# Altium PCB pcb.PcbDoc
Units mm, origin at the board's own origin, x right, y up, seen from the top; angles counter-clockwise.
Board outline 62.76 x 101.74 mm, 2 copper layers (Top Layer, Bottom Layer); 42 components, 39 nets, 138 pads, 10 vias.
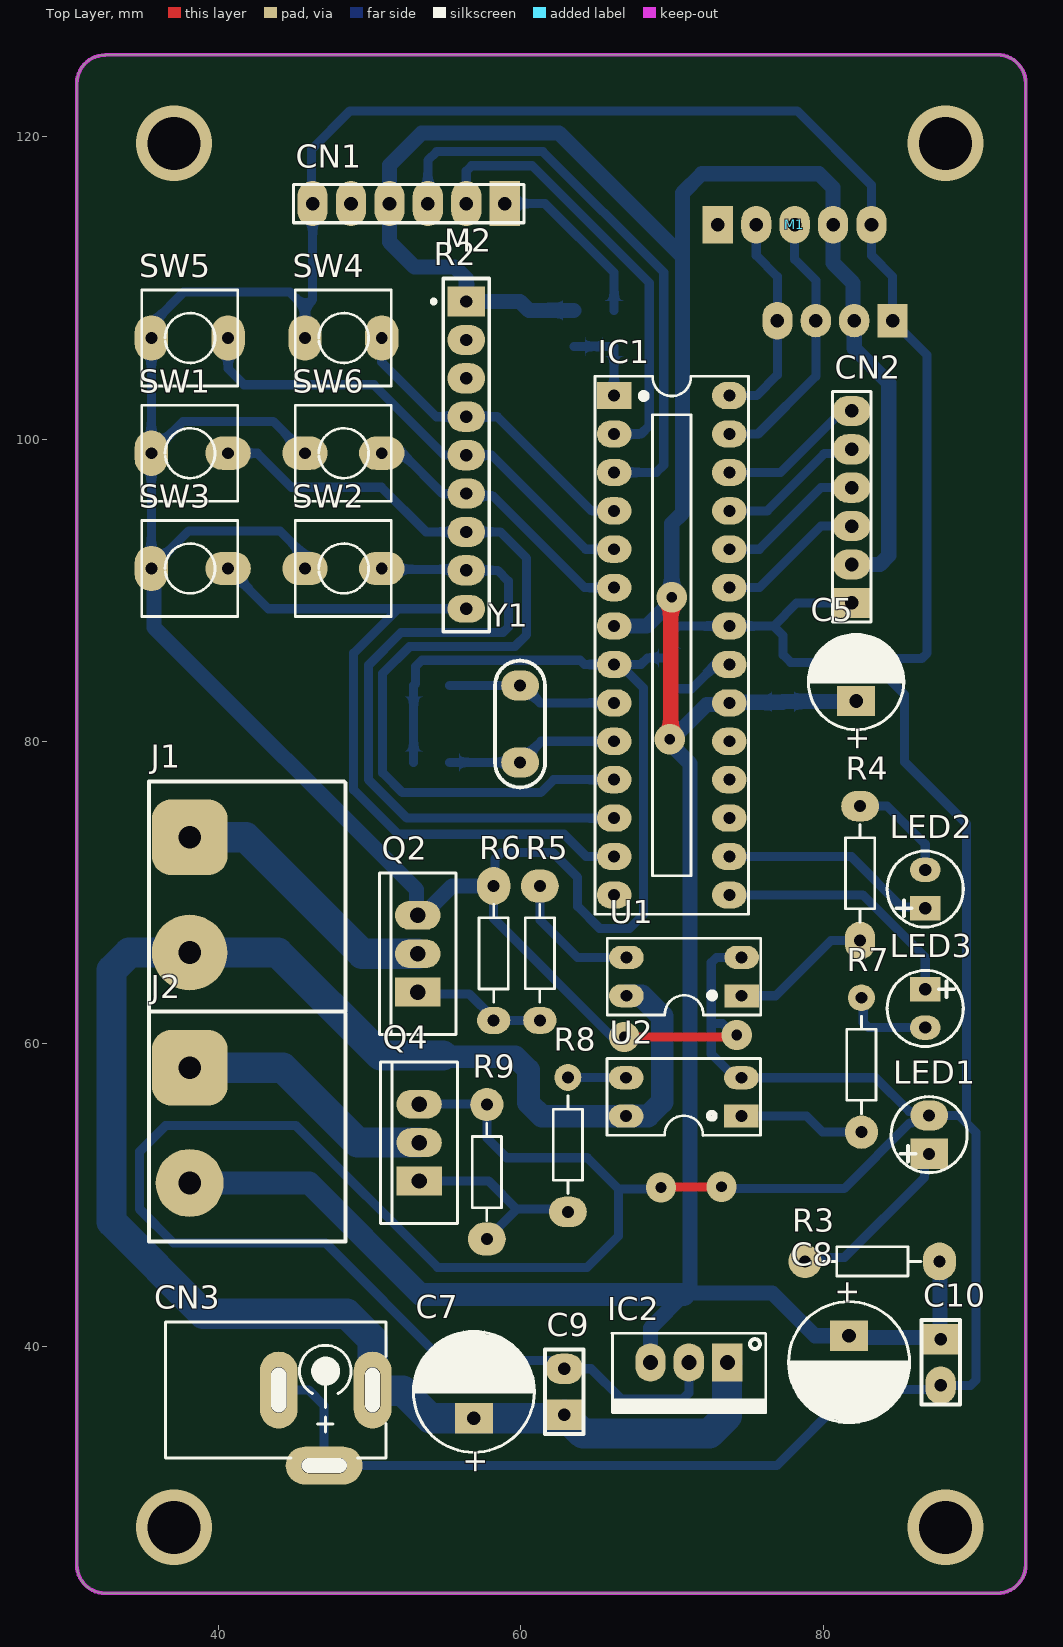
[diagram p0: Top Layer view]
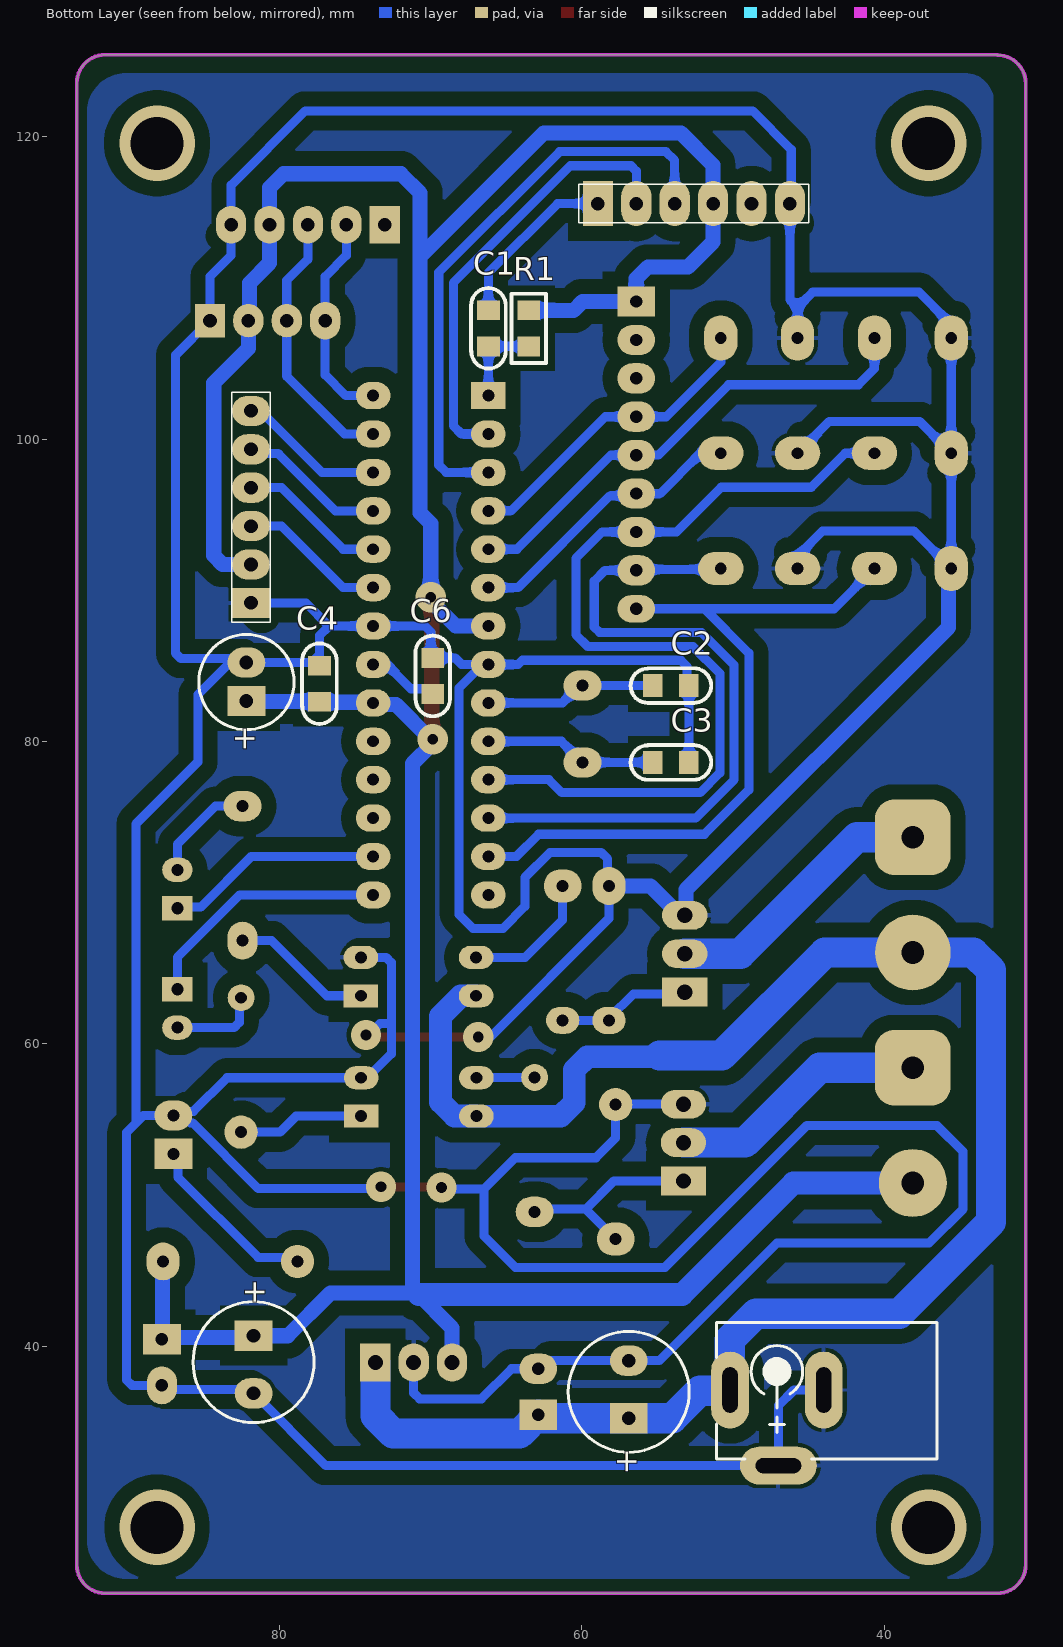
[diagram p1: Bottom Layer view, seen from below]
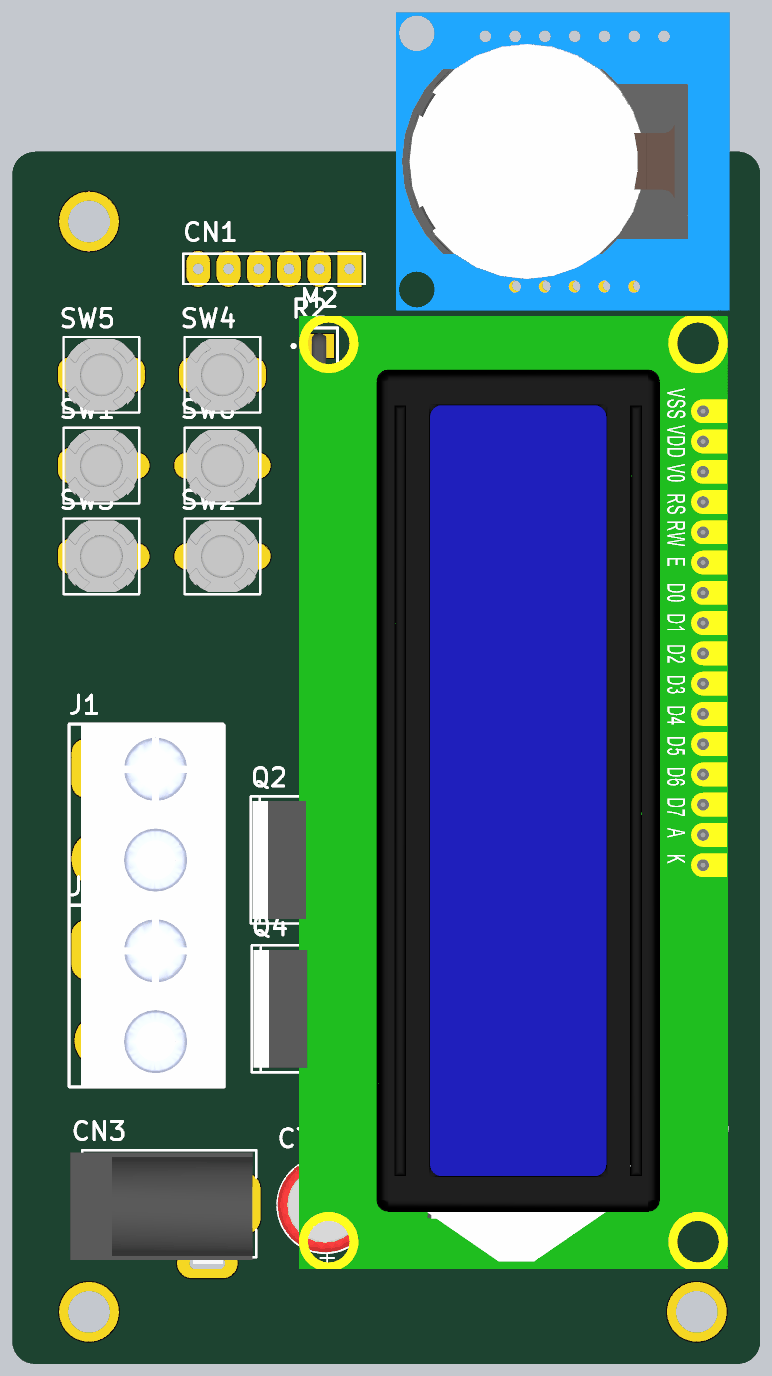
[diagram p2: 3D render of the assembled board from above, using the file's embedded part models]
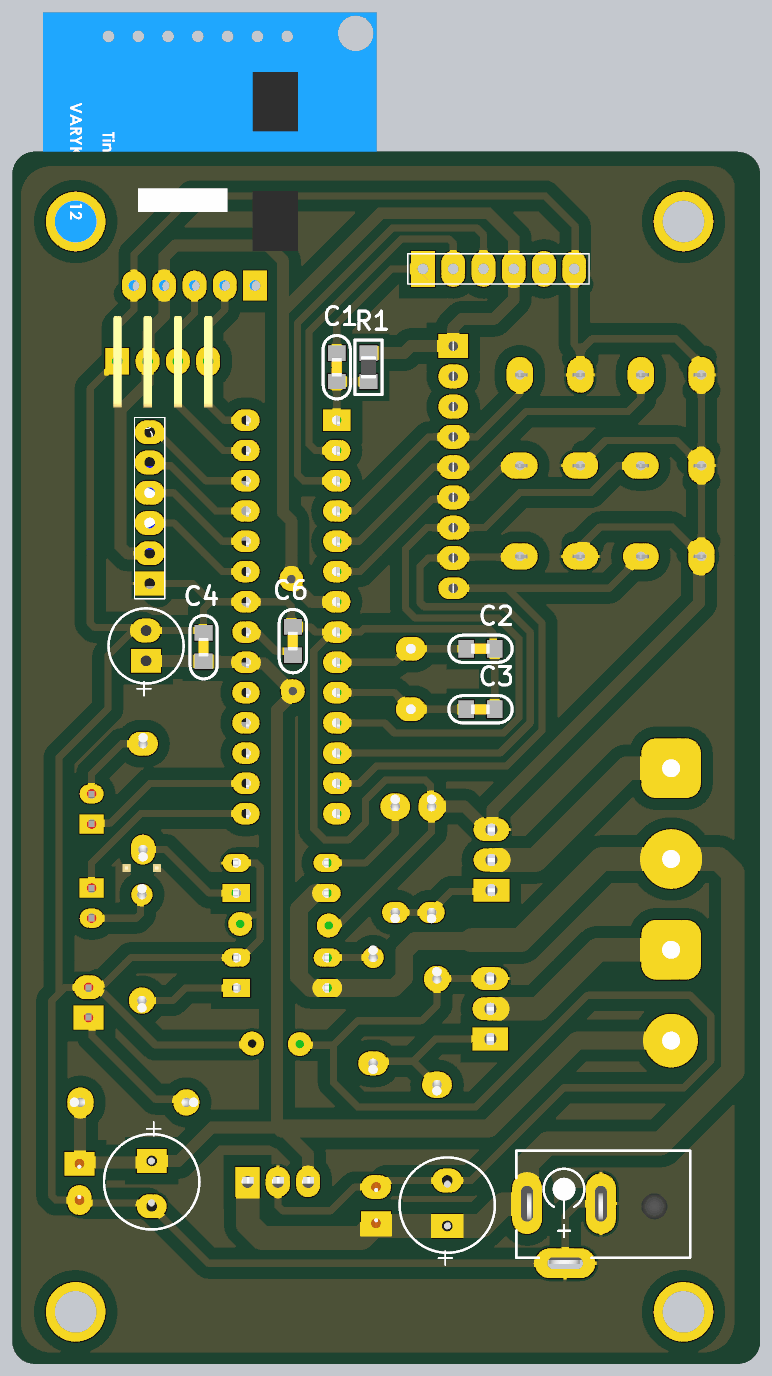
[diagram p3: 3D render of the assembled board from below, using the file's embedded part models]

## Layer stack, top to bottom
Top Solder: solder mask 0.0102, Solder Resist, Dk 3.5
Top Layer: signal copper 0.0356
Dielectric 1: dielectric 0.32, FR-4, Dk 4.8
Bottom Layer: signal copper 0.0356
Bottom Solder: solder mask 0.0102, Solder Resist, Dk 3.5

## Board outline
30.63,25.55 ccw(c32.51,25.55) 32.51,23.67 91.51,23.67 ccw(c91.51,25.55) 93.39,25.55 93.39,123.53 ccw(c91.51,123.53) 91.51,125.41 32.51,125.41 32.51,125.39 ccw(c32.51,123.51) 30.63,123.51

## Design rules (kind name [scope] priority, off if disabled: settings)
Clearance [All] p1: gap=1 ignorepadtopadclearanceinfootprint=FALSE
PolygonConnect [All] p1: connectstyle=Relief reliefconductorwidth=0.254 reliefentries=4 polygonreliefangle="90 Angle" airgapwidth=0.254
RoutingVias [All] p1: holewidth=0.711 width=1.27 viastyle="Through Hole" minholewidth=0.711 minwidth=1.27 maxholewidth=0.711 maxwidth=1.27
SolderMaskExpansion [All] p1: expansion=0.102 istentingtop=FALSE
Width [All] p1: maxlimit=10 minlimit=0.5 preferedwidth=0.7
30 further rules are at their usual default settings.

## Components (designator, comment, footprint, x,y, rotation, side; value= is the part's Value field where it differs from the comment)
C1 "Cap Non-pol" C-NP-0805 66.167,107.315 r270 bottom value=104
C2 "Cap Non-pol" C-NP-0805 54.102,83.693 r0 bottom value=22pF
C3 "Cap Non-pol" C-NP-0805 54.102,78.613 r0 bottom value=22pF
C4 "Cap Non-pol" C-NP-0805 77.343,83.82 r270 bottom value=104
C5 "Cap Pol" "RADIAL D" 82.169,82.677 r90 top value=100uF
C6 "Cap Non-pol" C-NP-0805 69.85,84.328 r270 bottom value=104
C7 "Cap Pol" "RADIAL E" 56.89,35.24 r90 top value=220uF
C8 "Cap Pol" "RADIAL E" 81.7,40.7 r270 top value=220uF
C9 "Cap Non-pol" "Cap Non-Pol 3mm"#1 62.87,36.99 r90 top value=104
C10 "Cap Non-pol" "Cap Non-Pol 3mm"#2 87.76,38.94 r270 top value=104
CN1 "IO" CON.HDR1X6#1 58.928,115.57 r180 top
CN2 "IO" CON.HDR1X6#2 81.87,89.16 r90 top
CN3 "PS" "JACK DC" 36.498,37.111 r0 top
IC1 "ATmega8-L" DIP28/W0.3 66.167,102.87 r270 top
IC2 "LM7805" QTO-220 73.65,38.93 r180 top
J1 "Domino 7.62mm" KF7.62#1 38.1,73.66 r270 top
J2 "Domino 7.62mm" KF7.62#2 38.1,58.42 r270 top
LED1 "LED3" LED3mm#1 87,54 r90 top
LED2 "LED3" LED3mm#2 86.74,70.24 r90 top
LED3 "LED3" LED3mm#2 86.74,62.34 r270 top
M1 "RTC1307 MODULE" RTCmODULE 73.025,114.173 r0 top
M2 "Module LCD 1602 I2C" LCD1602_I2C 84.582,107.823 r270 top
Q2 "IRF540" TO-220-3 53.18,63.42 r90 top
Q4 "IRF540" TO-220-3 53.27,50.93 r90 top
R1 "RESISTOR" R-0805 63.5,107.315 r90 bottom value=10k
R2 "RES_PACK_10K" "Res Array" 56.388,88.773 r90 top
R3 "220" R1/4W#1 78.79,45.61 r0 top value="R1/4W - 1K"
R4 "1k" R1/4W#2 82.43,66.83 r90 top value="R1/4W - 1K"
R5 "10R" R1/4W#3 61.255,70.445 r270 top value="R1/4W - 1K"
R6 "10k" R1/4W#4 58.2,70.44 r270 top value="R1/4W - 1K"
R7 "1k" R1/4W#5 82.52,54.16 r90 top value="R1/4W - 1K"
R8 "10R" R1/4W#6 63.11,57.78 r270 top value="R1/4W - 1K"
R9 "10k" R1/4W#1 57.75,55.98 r270 top value="R1/4W - 1K"
SW1 "SW" SW2#1 40.64,99.06 r180 top value="SW chip 2 pin"
SW2 "SW" SW2#2 50.8,91.44 r180 top value="SW chip 2 pin"
SW3 "SW" SW2#1 40.64,91.44 r180 top value="SW chip 2 pin"
SW4 "SW" SW2#3 50.8,106.68 r180 top value="SW chip 2 pin"
SW5 "SW" SW2#3 40.64,106.68 r180 top value="SW chip 2 pin"
SW6 "SW" SW2#2 50.8,99.06 r180 top value="SW chip 2 pin"
U1 "PC817" DIP4/W0.3 74.6,63.18 r90 top
U2 "PC817" DIP4/W0.3 74.58,55.22 r90 top
Y1 "16Mhz" XTAL 59.944,81.153 r180 top

## Footprints (in the part's own frame and the unit in brackets; to place one, negate y for a bottom-side part, rotate by r counter-clockwise, add the part's x,y. Pads: shape width x height; smd on the part's side, far side on the other; paste and mask are expansions set on the pad)
C-NP-0805 [mm] "Chip Capacitor; Non-polarized; Body 2.0 x 1.3 mm (LxW typ) [2012]"
  rect 1.3x1.5 smd: 1(-1.194,0) 2(1.194,0)
  silkscreen extent -2.67,-1.14 2.66,1.14, body extent -0.8,-0.43 0.8,0.43, height 0.79
"Cap Non-Pol 3mm"#1 [mm] "Capacitor, Radial; Body 5.6 x 2.5 mm (L x W typ); Pin Spacing 3 mm (typ); Solder Pad 35mil"
  rect 2x2.5 hole 0.813: 1(-1.524,0)
  oval 2x2.5 hole 0.813: 2(1.524,0)
  silkscreen extent -2.79,-1.27 2.79,1.27, body extent -2.92,-0.83 2.92,0.86, height 6.22
"Cap Non-Pol 3mm"#2 [mm] "Capacitor, Radial; Body 5.6 x 2.5 mm (L x W typ); Pin Spacing 3 mm (typ); Solder Pad 35mil"
  rect 2x2.5 hole 0.813: 1(-1.524,0)
  oval 2.5x2 hole 0.813: 2(1.524,0)
  silkscreen extent -2.79,-1.27 2.79,1.27, body extent -2.92,-0.83 2.92,0.86, height 6.22
CON.HDR1X6#1 [mm]
  rect 2x3 hole 0.9: 1(0,0)
  oval 2x3 hole 0.9: 2(2.54,0) 3(5.08,0) 4(7.62,0) 5(10.16,0) 6(12.7,0)
  silkscreen extent -1.27,-1.27 13.97,1.27, body extent -1.27,-1.27 13.97,1.27, height 8.89
CON.HDR1X6#2 [mm]
  rect 2x2.5 hole 0.9: 1(0,0)
  oval 2x2.5 hole 0.9: 2(2.54,0) 3(5.08,0) 4(7.62,0) 5(10.16,0) 6(12.7,0)
  silkscreen extent -1.27,-1.27 13.97,1.27, body extent -1.27,-1.27 13.97,1.27, height 8.89
DIP4/W0.3 [mil] "4 PIN, W 300mil, Pin to pin 100mil"
  rect 60x90 hole 31: 1(0,0)
  oval 60x90 hole 31: 2(100,0) 3(100,300) 4(0,300)
  silkscreen extent -50,-50 150,350, body extent -59,-10 159,305, height 170
DIP28/W0.3 [mil] "28 PIN, W 300mil, Pin to pin 100mil"
  rect 70.87x90 hole 31: 1(0,0)
  oval 70.87x90 hole 31: 2(100,0) 3(200,0) 4(300,0) 5(400,0) 6(500,0) 7(600,0) 8(700,0) 9(800,0) 10(900,0) 11(1000,0) 12(1100,0) 13(1200,0) 14(1300,0) 15(1300,300) 16(1200,300) 17(1100,300) 18(1000,300) 19(900,300) 20(800,300) 21(700,300) 22(600,300) 23(500,300) 24(400,300) 25(300,300) 26(200,300) 27(100,300) 28(0,300)
  silkscreen extent -50,-50 1350,350, body extent -50,-10 1367,300, height 200
"JACK DC" [mm]
  oval 2.5x5.08 hole 1 slot 3 at 90 deg: 1(13.692,-0.001) 2(7.492,-0.001)
  oval 5.08x2.5 hole 1 slot 3 at 0 deg: 3(10.492,-5.001)
  silkscreen extent -0.01,-5 14.59,4.5, body extent -1,-5.08 14.3,4.28, height 11
KF7.62#1 [mm] "Terminal 7762mm"
  rrect50% 5x5 hole 1.5: 1(0,0)
  round 5 hole 1.5: 2(7.62,0)
  silkscreen extent -3.7,-2.7 11.5,10.3, body extent -3.72,-1.7 11.52,10.3, height 12.4
KF7.62#2 [mm] "Terminal 7762mm"
  rrect50% 5x5 hole 1.5: 1(0,0)
  round 4.5 hole 1.5: 2(7.62,0)
  silkscreen extent -3.7,-2.7 11.5,10.3, body extent -3.72,-1.7 11.52,10.3, height 12.4
LCD1602_I2C [mm] "MODULE LCD I2C"
  rect 2.2x2 hole 0.9: 1(0,0)
  oval 2.2x2 hole 0.9: 2(0,-2.54) 3(0,-5.08)
  oval 2.5x2 hole 0.9: 4(0,-7.62)
  body extent -3.8,-29.9 76.2,6.1, height 21.65
LED3mm#1 [mm]
  rect 2x2.5 hole 0.8: 1(-1.27,0)
  oval 2x2.5 hole 0.8: 2(1.27,0)
  silkscreen extent -2.52,-2.51 2.51,2.52, body extent -1.99,-1.5 1.99,1.99, height 5.38
LED3mm#2 [mm]
  rect 1.6x2 hole 0.8: 1(-1.27,0)
  oval 1.6x2 hole 0.8: 2(1.27,0)
  silkscreen extent -2.52,-2.51 2.51,2.52, body extent -1.99,-1.5 1.99,1.99, height 5.38
QTO-220 [mil] "TO-220 - 1-2-3"
  rect 80x100 hole 39: 1(0,0)
  oval 80x100 hole 39: 2(100,0)
  oval 78.74x100 hole 39: 3(200,0)
  silkscreen extent -100,-76 300,130, body extent -119,-64 322,121, height 755
R1/4W#1 [mm] "R 1/4W, 2 Pin, 350mil"
  round 2.2 hole 0.787: 1(0,0)
  oval 2.2x2.5 hole 0.787: 2(8.89,0)
  silkscreen extent 1.22,-0.97 7.67,0.97, body extent -1.01,-1.19 9.79,1.21, height 2.83
R1/4W#2 [mm] "R 1/4W, 2 Pin, 350mil"
  oval 2.5x2 hole 0.787: 1(0,0)
  oval 2x2.5 hole 0.787: 2(8.89,0)
  silkscreen extent 1.22,-0.97 7.67,0.97, body extent -1.01,-1.19 9.79,1.21, height 2.83
R1/4W#3 [mm] "R 1/4W, 2 Pin, 350mil"
  oval 2.2x2.5 hole 0.787: 1(0,0)
  oval 1.778x2.2 hole 0.787: 2(8.89,0)
  silkscreen extent 1.22,-0.97 7.67,0.97, body extent -1.01,-1.19 9.79,1.21, height 2.83
R1/4W#4 [mm] "R 1/4W, 2 Pin, 350mil"
  oval 2.5x2.2 hole 0.787: 1(0,0)
  oval 1.778x2.2 hole 0.787: 2(8.89,0)
  silkscreen extent 1.22,-0.97 7.67,0.97, body extent -1.01,-1.19 9.79,1.21, height 2.83
R1/4W#5 [mm] "R 1/4W, 2 Pin, 350mil"
  round 2.2 hole 0.787: 1(0,0)
  round 1.778 hole 0.787: 2(8.89,0)
  silkscreen extent 1.22,-0.97 7.67,0.97, body extent -1.01,-1.19 9.79,1.21, height 2.83
R1/4W#6 [mm] "R 1/4W, 2 Pin, 350mil"
  round 1.778 hole 0.787: 1(0,0)
  oval 2x2.5 hole 0.787: 2(8.89,0)
  silkscreen extent 1.22,-0.97 7.67,0.97, body extent -1.01,-1.19 9.79,1.21, height 2.83
R-0805 [mm] "Chip Resistor; Body 2.0 x 1.3 mm (LxW typ) [2012]"
  rect 1.3x1.5 smd: 1(-1.194,0) 2(1.194,0)
  silkscreen extent -2.29,-1.14 2.29,1.14, body extent -0.95,-0.65 0.95,0.65, height 0.63
"RADIAL D" [mm] "Capacitor, Electrolytic, Radial; Body 6.3 x 9.8 mm (Dia.xH typ); Pin Spacing 2.5 mm (typ)"
  rect 2x2.5 hole 0.9: 1(0,0)
  oval 2x2.5 hole 0.9: 2(2.54,0)
  silkscreen extent -1.9,-3.15 4.4,3.15
"RADIAL E" [mm] "Capacitor, Electrolytic, Radial; Body 8 x 10.5 mm (Dia.xH typ); Pin Spacing 3.5 mm (typ)"
  rect 2x2.5 hole 0.9: 1(0,0)
  oval 2x2.5 hole 0.9: 2(3.81,0)
  silkscreen extent -2.25,-4 5.75,4, body extent -2.24,-3.99 5.76,4.01, height 11.74
"Res Array" [mm] "Resistor Array; 9 Leads; Solder Pad 35mil"
  oval 1.8x2.5 hole 0.813: 1(0,0)
  oval 2x2.5 hole 0.813: 2(2.54,0) 3(5.08,0) 4(7.62,0) 5(10.16,0) 6(12.7,0) 7(15.24,0) 8(17.78,0)
  rect 2x2.5 hole 0.813: 9(20.32,0)
  silkscreen extent -1.52,-1.52 21.84,2.29, body extent -1.08,-0.61 21.42,0.64, height 5.06
RTCmODULE [mm] "DS1307"
  rect 2x2.5 hole 0.9: 1(0,0)
  oval 2x2.5 hole 0.9: 2(2.54,0) 3(5.08,0) 4(7.62,0) 5(10.16,0)
  body extent -10.2,-2.08 17.8,22.92, height 6.8
SW2#1 [mm] "SW button 2pin, 250x 250 mil"
  oval 3x2.2 hole 0.787: 1(0,0)
  oval 2.2x3 hole 0.787: 2(5.08,0)
  silkscreen extent -0.64,-3.17 5.72,3.18, body extent -0.46,-3 5.54,3, height 5
SW2#2 [mm] "SW button 2pin, 250x 250 mil"
  oval 3x2.2 hole 0.787: 1(0,0) 2(5.08,0)
  silkscreen extent -0.64,-3.17 5.72,3.18, body extent -0.46,-3 5.54,3, height 5
SW2#3 [mm] "SW button 2pin, 250x 250 mil"
  oval 2.2x3 hole 0.787: 1(0,0) 2(5.08,0)
  silkscreen extent -0.64,-3.17 5.72,3.18, body extent -0.46,-3 5.54,3, height 5
TO-220-3 [mm] "TO-220; 3 Leads; Solder Pad 35mil"
  rect 1.905x3 hole 1.016: 1(0,0)
  oval 1.905x3 hole 1.016: 2(2.54,0) 3(5.08,0)
  silkscreen extent -2.79,-2.54 7.87,2.54, body extent -2.41,-2.11 7.49,2.39, height 19.31
XTAL [mm] "Crystal, Thru-Hole; 2 Leads; Body 3.1 x 8.2 mm (Dia.xH); Solder pad 35mil"
  oval 2.5x2 hole 0.813: 1(0,2.54) 2(0,-2.54)
  silkscreen extent -1.66,-4.19 1.66,4.2, body extent -2.33,-5.67 2.32,5.68, height 3.53

## Part data
C1 C2 C3 C4 C6 C9 C10: "Non-polarized Capacitor", LatestRevisionDate=17-Jul-2002, LatestRevisionNote="Re-released for DXP Platform.", PackageReference=RAD-0.3, Published=8-Jun-2000, Publisher="Altium Limited"
C5 C7 C8: "Polarized Capacitor", LatestRevisionDate=17-Jul-2002, LatestRevisionNote="Re-released for DXP Platform.", PackageReference=POLAR0.8, Published=8-Jun-2000, Publisher="Altium Limited"
CN1 CN2: library part CON.HDR1x6, "Header 1x6", ComponentLink1Description="Digikey Part link", ComponentLink2Description="Open DataSheet", ComponentLink2URL=H:\LIBRARY\LIBRARY.Datasheet\, Publisher="Hoang Nguyen"
CN3: library part CON.DCjack, "DC Power Jack, 2.5mm, KLD Series, PCB Mount", ComponentLink1Description="Digikey Part link", ComponentLink2Description="Open DataSheet", ComponentLink2URL=H:\LIBRARY\LIBRARY.Datasheet\, Price=1.500VND, Vendor="Nhat Tao"
IC1: "8-Bit AVR Microcontroller with 8K Bytes of In-System Programmable Flash Memory"
IC2: library part LM78xx_1, "On ap +, from + 5 to + 24VDC"
J1 J2: library part Con2-7.62mm
LED1 LED2 LED3: library part "LED 3mm", "LED 3mm"
M1: library part RTC1307_MODULE
M2: library part LCD1602_I2C
Q2 Q4: "HEXFET N-Channel Power MOSFET", ComponentLink1Description="Manufacturer Link", ComponentLink1URL=http://www.irf.com/, DatasheetVersion=PD-9.373H, LatestRevisionDate=17-Jul-2002, LatestRevisionNote="Re-released for DXP Platform.", Note="Pin 2 is electrically connected to pin 4.", PackageDescription="TO, Thru-Hole, Vertical, Heatsink Mounted; 3 In-Line Leads; Pitch 2.54 mm", PackageReference=TO-220AB, PackageVersion=Feb-1997, Published=8-Jun-2000, Publisher="Altium Limited"
R1: "Resistor", LatestRevisionDate=17-Jul-2002, LatestRevisionNote="Re-released for DXP Platform.", PackageReference=AXIAL-0.3, Published=8-Jun-2000, Publisher="Altium Limited"
R2: library part RES_PACK_8R, "Isolated Resistor Network", Code_JEDEC=MO-150-AC, LatestRevisionDate=17-Jul-2002, LatestRevisionNote="Re-released for DXP Platform.", PackageReference=SSOP16, Published=24-Mar-1999, Publisher="Altium Limited"
R3 R4 R5 R6 R7 R8 R9: library part R1/4W, "Resistor 1/4W"
SW1 SW2 SW3 SW4 SW5 SW6: library part SW2, "Switch button 2 pin"
U1 U2: library part PC817_1, "Single Opto"
Y1: library part XTAL, "Crystal Oscillator", LatestRevisionDate=17-Jul-2002, LatestRevisionNote="Re-released for DXP Platform.", PackageReference=R38, Published=8-Jun-2000, Publisher="Altium Limited"

## Via types
v1: diameter 2, hole 0.711, Top Layer to Bottom Layer, 6 vias
v2: diameter 5, hole 3.5, Top Layer to Bottom Layer, 4 vias

## Nets (pads, with @x,y where several pads share a name; then routed paths per layer and width w, separated by ;. In a path a pad name is that pad's centre, name@x,y a point inside that pad or via, vN(x,y) a via of type N, cw(c..) or ccw(c..) an arc to the next point about the centre after c; other vN are vias at no path point)
+5V: C4.2 C5.1 C8.1 C10.1 CN1.4 CN2.2 IC1.7 IC1.20 IC2.3 J2.2 M1.4 M2.2 R1.2 R2.9 R3.2 | length 239.6
  Top Layer w1: v1(69.85,80.137) 69.913,80.2 69.913,89.471 v1(69.977,89.535)
  Bottom Layer w1: R1.2 60.528,108.509 59.944,109.093 R2.9 56.388,110.617 55.626,111.379 52.959,111.379 51.308,113.03 51.308,118.108 53.44,120.24 62.51,120.24 70.68,112.07 ; IC1.7 68.326,87.63 69.977,89.281 v1(69.977,89.535) 69.977,94.407 70.68,95.11 70.68,112.07 ; IC2.3 68.57,41.22 70.87,43.52 ; CN2.2 83.744,91.7 84.33,92.286 84.33,103.71 82.042,105.998 M2.2 81.955,107.91 81.955,110.323 80.645,111.633 M1.4 80.645,116.62 79.725,117.54 71.96,117.54 70.68,116.26 70.68,112.07 ; C5.1 82.144,82.652 77.368,82.652 C4.2 77.305,82.588 73.825,82.588 IC1.20 73.687,82.45 72.29,82.45 69.977,80.137 v1(69.85,80.137) 69.85,79.871 71.19,78.531 71.19,43.84 70.87,43.52 ; R3.2 87.72,45.57 C10.1@87.72,40.504 ; C10.1 C10.1@87.72,40.504 ; 70.87,43.52 76.62,43.52 79.44,40.7 C8.1 81.818,40.582 87.642,40.582 C10.1@87.72,40.504
  Bottom Layer w1.5: J2.2 46,50.8 53.37,43.43 70.78,43.43
A0: CN2.3 IC1.23 | length 9.8
  Bottom Layer w0.6: IC1.23 75.77,90.17 79.84,94.24 CN2.3
A1: CN2.4 IC1.24 | length 9.8
  Bottom Layer w0.6: IC1.24 75.77,92.71 79.84,96.78 CN2.4
A2: CN2.5 IC1.25 | length 9.8
  Bottom Layer w0.6: IC1.25 76.29,95.25 80.01,98.97 80.01,98.99 80.072,99.052 81.602,99.052 CN2.5
A3: CN2.6 IC1.26 | length 9.8
  Bottom Layer w0.6: IC1.26 77.18,97.79 81.25,101.86 CN2.6
D2: IC1.4 R2.6 SW4.1 | length 21
  Bottom Layer w0.6: SW4.1 50.8,105.09 54.417,101.473 R2.6 58.437,101.473 64.648,95.262 66.155,95.262 IC1.4
D3: IC1.5 R2.5 SW5.1 | length 32.5
  Bottom Layer w0.6: SW5.1 40.64,104.65 41.7,103.59 50.28,103.59 54.937,98.933 58.067,98.933 64.29,92.71 IC1.5
D4: IC1.6 R2.4 SW6.1 | length 19
  Bottom Layer w0.6: SW6.1 50.835,99.025 52.185,99.025 54.817,96.393 R2.4 56.54,96.241 58.139,96.241 64.21,90.17 IC1.6
D5: IC1.11 R2.3 SW1.1 | length 61
  Bottom Layer w0.6: SW1.1 42.57,99.06 44.82,96.81 50.77,96.81 53.727,93.853 R2.3 58.637,93.853 60.38,92.11 60.38,87.06 59.6,86.28 52.64,86.28 50.86,84.5 50.86,77.92 52.17,76.61 61.31,76.61 62.17,77.47 IC1.11
D6: IC1.12 R2.2 SW2.1 | length 46.9
  Bottom Layer w0.6: SW2.1 50.863,91.376 56.325,91.376 R2.2 58.457,91.313 59.17,90.6 59.17,87.561 58.819,87.21 52.082,87.21 49.924,85.052 49.924,77.476 52.47,74.93 IC1.12
D7: IC1.13 R2.1 SW3.1 | length 49.1
  Bottom Layer w0.6: SW3.1 43.307,88.773 51.877,88.773 ; R2.1 51.877,88.773 ; IC1.13 66.036,72.39 64.32,72.39 62.85,73.86 51.88,73.86 48.94,76.8 48.94,85.836 51.877,88.773
D8: IC1.14
D9: IC1.15 LED3.1 | length 16.8
  Bottom Layer w0.6: IC1.15 82.61,69.85 86.74,65.72 LED3.1
D10: IC1.16 LED2.1 | length 14.4
  Bottom Layer w0.6: IC1.16 81.85,72.39 85.191,69.049 86.661,69.049 LED2.1
D11: IC1.17
D12: IC1.18
D13: IC1.19
DTR: C1.1 CN1.1 | length 11.6
  Bottom Layer w0.6: CN1.1 61.595,115.57 66.167,110.998 C1.1
GND: C2.1 C3.1 C4.1 C5.2 C6.1 C7.2 C8.2 C9.2 C10.2 CN1.6 CN2.1 CN3.2 CN3.3 IC1.8 IC1.22 IC2.2 LED1.2 M1.5 M2.1 Q2.3 Q4.3 R6.1 R9.1 SW1.2 SW2.2 SW3.2 SW4.2 SW5.2 SW6.2 U1.2 U2.2 | length 538.8
  Top Layer w0.6: v1(66.84,60.46) 74.14,60.46 v1(74.27,60.59) ; v1(69.27,50.51) 69.29,50.53 73.25,50.53 v1(73.27,50.55)
  Bottom Layer w0.6: CN3.2 45.96,37.11 46.99,36.08 CN3.3 76.92,32.11 C8.2 81.963,37.153 87.497,37.153 C10.2 89.739,37.416 90.09,37.767 90.09,54.15 89.48,54.76 ; SW2.2 45.47,91.69 45.47,92.51 44.06,93.92 38.04,93.92 SW3.2 SW1.2 ; SW6.2 43.62,101.16 37.66,101.16 SW1.2 ; SW4.2 45.72,108.71 ; C3.1 C2.1 53.028,83.813 53.028,84.948 53.45,85.37 63.92,85.37 64.2,85.09 IC1.8 IC1.8@66.548,85.09 ; Q4.3 56.931,56.01 57.381,55.56 R9.1@57.7,55.56 ; R9.1 57.75,53.78 59.06,52.47 64.39,52.47 66.45,50.41 ; v1(66.84,60.46) 66.82,60.44 66.05,60.44 58.2,68.29 R6.1 58.289,70.529 58.289,72.229 58.72,72.66 62.09,72.66 63.75,71 63.75,69.09 65.2,67.64 67.19,67.64 68.1,68.55 68.1,83.538 IC1.8@66.548,85.09 ; v1(69.27,50.51) 69.17,50.41 66.45,50.41 ; IC2.2 71.11,36.91 70.72,36.52 66.63,36.52 64.636,38.514 C9.2 62.572,38.514 62.036,39.05 C7.2 54.87,39.05 47.08,46.84 37.02,46.84 34.779,49.081 34.779,52.869 36.51,54.6 45.11,54.6 54.49,45.22 64.38,45.22 66.45,47.29 66.45,50.41 ; v1(73.27,50.55) 73.39,50.43 81.38,50.43 85.726,54.776 85.878,54.776 LED1.2@86.371,55.27 ; v1(74.27,60.59) 74.089,60.59 73.329,61.35 72.59,61.35 ; U1.2 72.941,65.72 72.59,65.369 72.59,61.35 ; CN2.1@81.17,88.46 CN2.1 78.238,89.16 76.708,87.63 ; SW1.2 SW5.2 35.81,106.93 35.81,107.83 37.69,109.71 44.72,109.71 45.72,108.71 ; 45.72,108.71 46.228,109.218 CN1.6 46.14,115.658 46.14,119.14 48.7,121.7 78.27,121.7 83.185,116.785 M1.5 83.185,112.141 84.582,110.744 M2.1 86.86,105.545 86.86,85.836 86.509,85.485 82.437,85.485 C5.2@82.178,85.226 ; IC1.8@66.548,85.09 67.945,85.09 68.377,85.522 C6.1 69.977,85.649 69.977,87.249 70.358,87.63 IC1.22 76.708,87.63 ; 72.59,61.35 72.59,59.339 74.169,57.76 U2.2 83.45,57.76 85.672,55.538 86.103,55.538 LED1.2@86.371,55.27 ; 76.708,87.63 77.343,86.995 77.343,85.722 77.839,85.226 C5.2@82.178,85.226 ; C5.2@82.178,85.226 83.254,85.226 85.38,83.1 85.38,78.64 89.48,74.54 89.48,54.76 ; LED1.2@86.371,55.27 LED1.2 88.97,55.27 89.48,54.76
  Bottom Layer w1: SW3.2 35.744,91.256 35.744,87.546 53.092,70.198 53.092,68.588 Q2.3 53.498,68.5 55.437,70.44 R6.1
NetC6_2: C6.2 IC1.21 | length 4.7
  Bottom Layer w0.6: C6.2 70.2,83.484 71.292,83.484 72.721,84.913 73.61,84.913 IC1.21
NetJ1_1: J1.1 Q2.2 | length 18.3
  Bottom Layer w2: J1.1 41.8,73.66 49.5,65.96 Q2.2
NetJ2_1: J2.1 Q4.2 | length 17.5
  Bottom Layer w2: J2.1@37.117,57.893 J2.1@37.345,57.665 ; J2.1 44.25,58.42 49.2,53.47 Q4.2
NetLED1_1: LED1.1 R3.1 | length 11.9
  Bottom Layer w0.6: R3.1 79.059,45.879 81.399,45.879 86.701,51.181 86.701,52.431 LED1.1
NetLED2_2: LED2.2 R4.2 | length 7
  Bottom Layer w0.6: R4.2 84.22,75.72 86.74,73.2 LED2.2
NetLED3_2: LED3.2 R7.2 | length 5.9
  Bottom Layer w0.6: R7.2 82.639,62.931 82.639,61.421 82.99,61.07 LED3.2
NetQ2_1: Q2.1 R5.2 R6.2 | length 8.9
  Bottom Layer w0.6: Q2.1 53.29,63.31 56.57,63.31 58.2,61.68 R6.2 58.205,61.555 R5.2 R5.2@61.26,61.56
NetQ4_1: Q4.1 R8.2 R9.2 | length 13.5
  Bottom Layer w0.6: Q4.1 57.87,50.93 59.73,49.07 ; R9.2 59.73,49.07 ; R8.2 62.93,49.07 59.73,49.07
NetR4_1: R4.1 U1.1 | length 9.3
  Bottom Layer w0.6: U1.1 76.85,63.18 80.5,66.83 R4.1
NetR5_1: R5.1 U1.3 | length 9
  Bottom Layer w0.6: R5.1 61.255,68.205 63.74,65.72 U1.3
NetR7_1: R7.1 U2.1 | length 8.4
  Bottom Layer w0.6: U2.1 78.89,55.22 79.95,54.16 R7.1 R7.1@82.515,54.155
NetR8_1: R8.1 U2.3 | length 3.9
  Bottom Layer w0.6: R8.1 63.12,57.77 66.95,57.77 U2.3
RESET: C1.2 IC1.1 R1.1 | length 5.9
  Bottom Layer w0.6: R1.1 C1.2 IC1.1
RXD: CN1.2 IC1.2 | length 29.6
  Bottom Layer w0.6: CN1.2 56.388,117.719 56.739,118.07 60.746,118.07 68.49,110.326 68.49,100.875 67.945,100.33 IC1.2
SCL: IC1.28 M1.2 M2.4 | length 14.3
  Bottom Layer w0.6: IC1.28 75.59,102.87 76.962,104.242 M2.4 76.962,110.744 75.565,112.141 M1.2
SDA: IC1.27 M1.3 M2.3 | length 17.9
  Bottom Layer w0.6: IC1.27 75.68,100.33 79.502,104.152 M2.3 79.502,110.49 78.105,111.887 M1.3
TXD: CN1.3 IC1.3 | length 38.2
  Bottom Layer w0.6: CN1.3 53.848,118.42 54.438,119.01 61.457,119.01 69.45,111.017 69.45,98.279 68.961,97.79 IC1.3
VIN: C7.1 C9.1 CN3.1 IC2.1 J1.2 U1.4 U2.4 | length 120.9
  Bottom Layer w1.5: 54.94,59.33 55.12,59.15 59.621,59.15 60.5,58.271 60.5,56.099 61.379,55.22 U2.4 66.965,55.225 68.405,55.225 69.34,56.16 69.34,61.827 67.991,63.175 66.985,63.175 U1.4
  Bottom Layer w2: 54.84,59.23 50.74,59.23 43.93,66.04 J1.2 34.102,66.04 32.93,64.868 32.93,48.23 39,42.16 48.48,42.16 50.21,40.43 50.21,37.13 CN3.1 50.19,37.075 50.205,37.06 52.18,37.06 54,35.24 C7.1 62.644,35.24 C9.1 64.106,34.23 72.462,34.23 73.634,35.402 73.634,38.914 IC2.1
XTAL1: C2.2 IC1.9 Y1.2 | length 11.3
  Bottom Layer w0.6: C2.2 Y1.2 60.134,83.693 61.277,82.55 IC1.9
XTAL2: C3.2 IC1.10 Y1.1 | length 11.4
  Bottom Layer w0.6: C3.2 Y1.1 61.341,80.01 IC1.10
pads on no net: CN1.5 M1.1 R2.7 R2.8
copper on no net:
  other v2: 37.06,28.03 88.08,28.03 37.06,119.55 88.08,119.55

## Polygon pours and split planes (outlines as drawn)
GND on Bottom Layer "GND_L02_P000" (solid, pour order 0): 32.79,124.05 32.79,27.17 ccw(c35.33,27.17) 35.33,24.63 90.14,24.63 ccw(c90.14,27.17) 92.68,27.17 92.68,121.65 ccw(c90.14,121.65) 90.14,124.19 34.64,124.19 ccw(c34.64,122.3) 32.75,122.3

## Keep-outs
Keep-Out Layer:
  lines w0.25: 32.51,125.39 ccw(c32.51,123.51) 30.63,123.51 30.63,25.55 ccw(c32.51,25.55) 32.51,23.67 91.51,23.67 ccw(c91.51,25.55) 93.39,25.55 93.39,123.53 ccw(c91.51,123.53) 91.51,125.41 32.51,125.41

## Text inside footprints (layer, text, board x,y; h text height)
C5: Top Overlay "+" at 82.919,79.302 h1.5 r90; Bottom Overlay "+" at 82.919,79.302 h1.5 r90
C7: Top Overlay "+" at 57.64,31.515 h1.5 r90; Bottom Overlay "+" at 57.64,31.515 h1.5 r90
C8: Top Overlay "+" at 80.95,44.425 h1.5 r270; Bottom Overlay "+" at 80.95,44.425 h1.5 r270